# Allegro board 038RT-9068CJK8E-A100_0921_1.brd (continued)
## Placement (name value [footprint] x y rotation side) (continued)
S2_DPS_DVDD33  HDR-2X1-M  [JP_2P_100]  177.57 453.31 90 top
S2_DPS_GPIO_P015  HDR-2X1-M  [JP_2P_100]  192.81 453.31 90 top
S2_DPS_LDOIN  HDR-2X1-M  [JP_2P_100]  185.19 453.31 90 top
S2_DVDD09  TP01  [TP_040_T]  285.61 237.8 0 top
S2_DVDD33  TP01  [TP_040_T]  293.23 237.8 0 top
S2_GPIO_VDDIO  TP01  [TP_040_T]  274.81 237.8 0 top
S2_LDOIN  TP01  [TP_040_T]  290.69 237.8 0 top
S2_MGND1  TP01  [TP_040_T]  232.19 278.12 90 top
S2_MGND2  TP01  [TP_040_T]  270.68 237.8 0 top
S2_MGND3  TP01  [TP_040_T]  299.91 237.8 0 top
S2_MGND4  TP01  [TP_040_T]  310.2 282.44 225 top
S2_PH_VBAT  HDR-2X1-M  [JP_2P_100]  129.57 451.16 90 top
S2_SW_CTRL  HDR-3X1-MR  [JP_3P_100_R90]  29.07 146.69 270 top
S2_TAPSL0  HDR-3X1-MR  [JP_3P_100_R90]  111.16 432.93 270 top
S2_TAPSL1  HDR-3X1-MR  [JP_3P_100_R90]  101 432.93 270 top
S2_VBAT  TP01  [TP_040_T]  125.67 435.36 180 top
S2_VO09  TP01  [TP_040_T]  326.99 415.94 0 top
S3_AVDD09  TP01  [TP_040_T]  399.89 237.8 270 top
S3_AVDD33  TP01  [TP_040_T]  375.58 259.95 0 top
S3_AVDD33_MOSFET  TP01  [TP_040_T]  359.25 284.66 0 top
S3_DGND1  TP01  [TP_040_T]  415.77 237.8 0 top
S3_DGND2  TP01  [TP_040_T]  408.15 237.8 0 top
S3_DGND3  TP01  [TP_040_T]  397.35 237.8 0 top
S3_DGND4  TP01  [TP_040_T]  350.03 278.12 90 top
S3_DPS_AVDD09  HDR-2X1-M  [JP_2P_100]  505.46 458.65 90 top
S3_DPS_AVDD33  HDR-2X1-M  [JP_2P_100]  354.72 453.31 90 top
S3_DPS_DVDD09  HDR-2X1-M  [JP_2P_100]  520.7 458.65 90 top
S3_DPS_DVDD33  HDR-2X1-M  [JP_2P_100]  368.69 453.31 90 top
S3_DPS_GPIO_P015  HDR-2X1-M  [JP_2P_100]  375.04 453.31 90 top
S3_DPS_LDOIN  HDR-2X1-M  [JP_2P_100]  361.07 453.31 90 top
S3_DVDD09  TP01  [TP_040_T]  405.61 237.8 0 top
S3_DVDD33  TP01  [TP_040_T]  413.23 237.8 0 top
S3_GPIO_VDDIO  TP01  [TP_040_T]  394.81 237.8 0 top
S3_LDOIN  TP01  [TP_040_T]  410.69 237.8 0 top
S3_MGND1  TP01  [TP_040_T]  352.19 278.12 90 top
S3_MGND2  TP01  [TP_040_T]  390.68 237.8 0 top
S3_MGND3  TP01  [TP_040_T]  419.91 237.8 0 top
S3_MGND4  TP01  [TP_040_T]  430.2 282.44 225 top
S3_PH_VBAT  HDR-2X1-M  [JP_2P_100]  547.11 450.29 90 top
S3_SW_CTRL  HDR-3X1-MR  [JP_3P_100_R90]  655.18 147.95 270 top
S3_TAPSL0  HDR-3X1-MR  [JP_3P_100_R90]  589.31 423.82 90 top
S3_TAPSL1  HDR-3X1-MR  [JP_3P_100_R90]  579.15 423.82 90 top
S3_VBAT  TP01  [TP_040_T]  533.12 442.14 180 top
S3_VO09  TP01  [TP_040_T]  504.82 415.94 0 top
SG0_AVDD09  TP01  [TP_040_T]  121.14 190.5 90 top
SG0_AVDD33  TP01  [TP_040_T]  91.93 178.11 90 top
SG0_AVDD33_MOSFET  TP01  [TP_040_T]  90.03 178.11 90 top
SG0_DGND1  TP01  [TP_040_T]  116.9 183.72 0 top
SG0_DGND2  TP01  [TP_040_T]  123.05 209.55 90 top
SG0_DGND3  TP01  [TP_040_T]  121.14 219.07 90 top
SG0_DGND4  TP01  [TP_040_T]  123.05 206.38 90 top
SG0_DVDD09  TP01  [TP_040_T]  126.86 203.2 180 top
SG0_DVDD33  TP01  [TP_040_T]  126.86 215.9 90 top
SG0_FE_LED0  TP01  [TP_040_T]  98.28 235.26 90 top
SG0_FE_LED1  TP01  [TP_040_T]  100.19 235.26 90 top
SG0_GPIO_VDDIO  TP01  [TP_040_T]  126.86 187.32 180 top
SG0_GPIOA1_2  HDR-4X1-MR-A  [JP_4P_100_R90_V1]  50.66 193.04 180 top
SG0_GPIOA3  TP01  [TP_040_T]  146.13 185.37 90 top
SG0_GPIOA_0  TP01  [TP_040_T]  124.95 203.2 180 top
SG0_INH  TP01  [TP_040_T]  133.43 185.37 90 top
SG0_LDOIN  TP01  [TP_040_T]  126.86 212.72 180 top
SG0_MGND1  TP01  [TP_040_T]  74.15 179.45 180 top
SG0_MGND2  TP01  [TP_040_T]  74.15 236.28 90 top
SG0_MGND3  TP01  [TP_040_T]  125.59 235.26 90 top
SG0_MGND4  TP01  [TP_040_T]  116.9 186.26 0 top
SG0_P0_LDOOUT  TP01  [TP_040_T]  88.12 178.11 90 top
SG0_P0_LED  TP01  [TP_040_T]  86.85 235.26 90 top
SG0_P0_RXC  TP01  [TP_040_T]  126.86 184.15 180 top
SG0_P0_RXD0  TP01  [TP_040_T]  126.86 209.55 180 top
SG0_P0_RXD1  TP01  [TP_040_T]  126.86 190.5 180 top
SG0_P0_RXD2  TP01  [TP_040_T]  124.95 212.72 180 top
SG0_P0_RXD3  TP01  [TP_040_T]  121.14 187.32 90 top
SG0_P0_RXDV  TP01  [TP_040_T]  123.05 212.72 90 top
SG0_P0_TXC  TP01  [TP_040_T]  121.14 212.72 90 top
SG0_P0_TXD0  TP01  [TP_040_T]  124.95 215.9 180 top
SG0_P0_TXD1  TP01  [TP_040_T]  121.14 184.15 90 top
SG0_P0_TXD2  TP01  [TP_040_T]  123.05 215.9 90 top
SG0_P0_TXD3  TP01  [TP_040_T]  123.05 184.15 90 top
SG0_P0_TXEN  TP01  [TP_040_T]  124.95 184.15 180 top
SG0_P1_LDOOUT  TP01  [TP_040_T]  121.14 209.55 90 top
SG0_P1_LED  TP01  [TP_040_T]  90.66 235.26 90 top
SG0_P1_RXC  TP01  [TP_040_T]  123.05 222.25 90 top
SG0_P1_RXD0  TP01  [TP_040_T]  123.05 219.07 90 top
SG0_P1_RXD1  TP01  [TP_040_T]  124.95 225.43 90 top
SG0_P1_RXD2  TP01  [TP_040_T]  121.14 225.43 90 top
SG0_P1_RXD3  TP01  [TP_040_T]  123.05 225.43 90 top
SG0_P1_RXDV  TP01  [TP_040_T]  121.14 222.25 90 top
SG0_P1_TXC  TP01  [TP_040_T]  124.95 222.25 90 top
SG0_P1_TXD0  TP01  [TP_040_T]  143.38 234.04 0 top
SG0_P1_TXD1  TP01  [TP_040_T]  143.38 230.84 0 top
SG0_P1_TXD2  TP01  [TP_040_T]  158.62 234.04 0 top
SG0_P1_TXD3  TP01  [TP_040_T]  158.62 230.84 0 top
SG0_P1_TXEN  TP01  [TP_040_T]  126.86 222.25 90 top
SG0_P2_LED  TP01  [TP_040_T]  88.76 235.26 90 top
SG0_P3_LED  TP01  [TP_040_T]  92.57 235.26 90 top
SG0_P5_LDOOUT  TP01  [TP_040_T]  121.14 206.38 90 top
SG0_P5_LED  TP01  [TP_040_T]  94.47 235.26 90 top
SG0_P5_RXC  TP01  [TP_040_T]  121.14 231.78 90 top
SG0_P5_RXD0  TP01  [TP_040_T]  126.86 231.78 90 top
SG0_P5_RXD1  TP01  [TP_040_T]  121.14 215.9 90 top
SG0_P5_RXD2  TP01  [TP_040_T]  124.95 231.78 90 top
SG0_P5_RXD3  TP01  [TP_040_T]  124.95 219.07 90 top
SG0_P5_RXDV  TP01  [TP_040_T]  123.05 231.78 90 top
SG0_P5_TXC  TP01  [TP_040_T]  123.05 228.6 90 top
SG0_P5_TXD0  TP01  [TP_040_T]  143.38 240.39 0 top
SG0_P5_TXD1  TP01  [TP_040_T]  143.38 237.19 0 top
SG0_P5_TXD2  TP01  [TP_040_T]  158.62 240.39 0 top
SG0_P5_TXD3  TP01  [TP_040_T]  121.14 228.6 90 top
SG0_P5_TXEN  TP01  [TP_040_T]  124.95 228.6 90 top
SG0_P6_CLKREQB  TP01  [TP_040_T]  123.05 203.2 180 top
SG0_P6_LANWAKEB  TP01  [TP_040_T]  121.14 203.2 180 top
SG0_P6_LED  TP01  [TP_040_T]  96.38 235.26 90 top
SG0_P6_REFCLK+  TP01  [TP_040_T]  123.05 187.32 90 top
SG0_P6_REFCLK-  TP01  [TP_040_T]  124.95 187.32 180 top
SG0_P7_CLKREQB  TP01  [TP_040_T]  124.95 209.55 180 top
SG0_P7_LANWAKEB  TP01  [TP_040_T]  124.95 206.38 180 top
SG0_P7_REFCLK+  TP01  [TP_040_T]  123.05 190.5 90 top
SG0_P7_REFCLK-  TP01  [TP_040_T]  124.95 190.5 180 top
SG0_SWR1_FB  HDR-2X1-M  [JP_2P_100]  116.47 27.91 180 top
SG0_VBAT  TP01  [TP_040_T]  63.36 205.1 90 top
SG0_VDC  TP01  [TP_040_T]  143.65 29.25 0 top
SG1_AVDD09  TP01  [TP_040_T]  569.45 221.94 270 top
SG1_AVDD33  TP01  [TP_040_T]  598.66 234.33 270 top
SG1_AVDD33_MOSFET  TP01  [TP_040_T]  600.57 234.33 270 top
SG1_DGND1  TP01  [TP_040_T]  573.69 228.72 180 top
SG1_DGND2  TP01  [TP_040_T]  567.55 206.07 270 top
SG1_DGND3  TP01  [TP_040_T]  569.45 193.37 270 top
SG1_DGND4  TP01  [TP_040_T]  567.55 202.89 0 top
SG1_DVDD09  TP01  [TP_040_T]  563.74 209.24 0 top
SG1_DVDD33  TP01  [TP_040_T]  563.74 196.54 270 top
SG1_FE_LED0  TP01  [TP_040_T]  592.31 177.18 270 top
SG1_FE_LED1  TP01  [TP_040_T]  590.41 177.18 270 top
SG1_GPIO_VDDIO  TP01  [TP_040_T]  563.74 225.12 0 top
SG1_GPIOA1_2  HDR-4X1-MR-A  [JP_4P_100_R90_V1]  637.4 219.4 0 top
SG1_GPIOA3  TP01  [TP_040_T]  580.88 234.33 270 top
SG1_GPIOA_0  TP01  [TP_040_T]  565.64 209.24 0 top
SG1_INH  TP01  [TP_040_T]  593.58 234.33 270 top
SG1_LDOIN  TP01  [TP_040_T]  563.74 199.72 270 top
SG1_MGND1  TP01  [TP_040_T]  616.44 232.99 0 top
SG1_MGND2  TP01  [TP_040_T]  616.44 176.16 270 top
SG1_MGND3  TP01  [TP_040_T]  565.01 177.18 270 top
SG1_MGND4  TP01  [TP_040_T]  573.69 226.18 180 top
SG1_P0_LDOOUT  TP01  [TP_040_T]  602.47 234.33 270 top
SG1_P0_LED  TP01  [TP_040_T]  603.74 177.18 270 top
SG1_P0_RXC  TP01  [TP_040_T]  563.74 228.29 0 top
SG1_P0_RXD0  TP01  [TP_040_T]  563.74 202.89 270 top
SG1_P0_RXD1  TP01  [TP_040_T]  563.74 221.94 0 top
SG1_P0_RXD2  TP01  [TP_040_T]  565.64 199.72 0 top
SG1_P0_RXD3  TP01  [TP_040_T]  569.45 225.12 270 top
SG1_P0_RXDV  TP01  [TP_040_T]  567.55 199.72 270 top
SG1_P0_TXC  TP01  [TP_040_T]  569.45 199.72 270 top
SG1_P0_TXD0  TP01  [TP_040_T]  565.64 196.54 0 top
SG1_P0_TXD1  TP01  [TP_040_T]  569.45 228.29 270 top
SG1_P0_TXD2  TP01  [TP_040_T]  567.55 196.54 270 top
SG1_P0_TXD3  TP01  [TP_040_T]  567.55 228.29 270 top
SG1_P0_TXEN  TP01  [TP_040_T]  565.64 228.29 0 top
SG1_P1_LDOOUT  TP01  [TP_040_T]  569.45 202.89 270 top
SG1_P1_LED  TP01  [TP_040_T]  599.93 177.18 270 top
SG1_P1_RXC  TP01  [TP_040_T]  567.55 190.19 270 top
SG1_P1_RXD0  TP01  [TP_040_T]  567.55 193.37 270 top
SG1_P1_RXD1  TP01  [TP_040_T]  565.64 187.02 270 top
SG1_P1_RXD2  TP01  [TP_040_T]  569.45 187.02 270 top
SG1_P1_RXD3  TP01  [TP_040_T]  567.55 187.02 270 top
SG1_P1_RXDV  TP01  [TP_040_T]  569.45 190.19 270 top
SG1_P1_TXC  TP01  [TP_040_T]  565.64 190.19 270 top
SG1_P1_TXD0  TP01  [TP_040_T]  531.98 198.09 180 top
SG1_P1_TXD1  TP01  [TP_040_T]  531.98 201.29 180 top
SG1_P1_TXD2  TP01  [TP_040_T]  531.98 204.44 180 top
SG1_P1_TXD3  TP01  [TP_040_T]  531.98 207.64 180 top
SG1_P1_TXEN  TP01  [TP_040_T]  563.74 190.19 270 top
SG1_P2_LED  TP01  [TP_040_T]  601.84 177.18 270 top
SG1_P3_LED  TP01  [TP_040_T]  598.03 177.18 270 top
SG1_P5_LDOOUT  TP01  [TP_040_T]  569.45 206.07 270 top
SG1_P5_LED  TP01  [TP_040_T]  596.12 177.18 270 top
SG1_P5_RXC  TP01  [TP_040_T]  569.45 180.67 270 top
SG1_P5_RXD0  TP01  [TP_040_T]  563.74 180.67 270 top
SG1_P5_RXD1  TP01  [TP_040_T]  569.45 196.54 270 top
SG1_P5_RXD2  TP01  [TP_040_T]  565.64 180.67 270 top
SG1_P5_RXD3  TP01  [TP_040_T]  565.64 193.37 270 top
SG1_P5_RXDV  TP01  [TP_040_T]  567.55 180.67 270 top
SG1_P5_TXC  TP01  [TP_040_T]  567.55 183.84 270 top
SG1_P5_TXD0  TP01  [TP_040_T]  531.98 185.39 180 top
SG1_P5_TXD1  TP01  [TP_040_T]  531.98 188.59 180 top
SG1_P5_TXD2  TP01  [TP_040_T]  531.98 191.74 180 top
SG1_P5_TXD3  TP01  [TP_040_T]  569.45 183.84 270 top
SG1_P5_TXEN  TP01  [TP_040_T]  565.64 183.84 270 top
SG1_P6_CLKREQB  TP01  [TP_040_T]  567.55 209.24 270 top
SG1_P6_LANWAKEB  TP01  [TP_040_T]  569.45 209.24 270 top
SG1_P6_LED  TP01  [TP_040_T]  594.22 177.18 270 top
SG1_P6_REFCLK+  TP01  [TP_040_T]  567.55 225.12 270 top
SG1_P6_REFCLK-  TP01  [TP_040_T]  565.64 225.12 0 top
SG1_P7_CLKREQB  TP01  [TP_040_T]  565.64 202.89 0 top
SG1_P7_LANWAKEB  TP01  [TP_040_T]  565.64 206.07 0 top
SG1_P7_REFCLK+  TP01  [TP_040_T]  567.55 221.94 270 top
SG1_P7_REFCLK-  TP01  [TP_040_T]  565.64 221.94 0 top
SG1_SWR1_FB  HDR-2X1-M  [JP_2P_100]  573.91 33.47 180 top
SG1_VBAT  TP01  [TP_040_T]  627.24 207.34 270 top
SG1_VDC  TP01  [TP_040_T]  592.14 22.75 0 top
SG2_AVDD09  TP01  [TP_040_T]  121.14 250.5 90 top
SG2_AVDD33  TP01  [TP_040_T]  91.93 238.11 90 top
SG2_AVDD33_MOSFET  TP01  [TP_040_T]  90.03 238.11 90 top
SG2_DGND1  TP01  [TP_040_T]  116.9 243.72 0 top
SG2_DGND2  TP01  [TP_040_T]  123.05 266.37 90 top
SG2_DGND3  TP01  [TP_040_T]  121.14 279.07 90 top
SG2_DGND4  TP01  [TP_040_T]  123.05 269.55 180 top
SG2_DVDD09  TP01  [TP_040_T]  126.86 263.2 180 top
SG2_DVDD33  TP01  [TP_040_T]  126.86 275.9 90 top
SG2_FE_LED0  TP01  [TP_040_T]  98.28 295.26 90 top
SG2_FE_LED1  TP01  [TP_040_T]  100.19 295.26 90 top
SG2_GPIO_VDDIO  TP01  [TP_040_T]  126.86 247.32 180 top
SG2_GPIOA1_2  HDR-4X1-MR-A  [JP_4P_100_R90_V1]  50.66 253.04 180 top
SG2_GPIOA3  TP01  [TP_040_T]  109.71 238.11 90 top
SG2_GPIOA_0  TP01  [TP_040_T]  124.95 263.2 180 top
SG2_INH  TP01  [TP_040_T]  97.01 238.11 90 top
SG2_LDOIN  TP01  [TP_040_T]  126.86 272.72 90 top
SG2_MGND1  TP01  [TP_040_T]  74.15 239.45 180 top
SG2_MGND2  TP01  [TP_040_T]  74.1 294.45 90 top
SG2_MGND3  TP01  [TP_040_T]  138.44 289.89 90 top
SG2_MGND4  TP01  [TP_040_T]  116.9 246.26 0 top
SG2_P0_LDOOUT  TP01  [TP_040_T]  88.12 238.11 90 top
SG2_P0_LED  TP01  [TP_040_T]  86.85 295.26 90 top
SG2_P0_RXC  TP01  [TP_040_T]  126.86 244.15 180 top
SG2_P0_RXD0  TP01  [TP_040_T]  126.86 269.55 180 top
SG2_P0_RXD1  TP01  [TP_040_T]  126.86 250.5 180 top
SG2_P0_RXD2  TP01  [TP_040_T]  124.95 272.72 180 top
SG2_P0_RXD3  TP01  [TP_040_T]  121.14 247.32 90 top
SG2_P0_RXDV  TP01  [TP_040_T]  123.05 272.72 90 top
SG2_P0_TXC  TP01  [TP_040_T]  121.14 272.72 90 top
SG2_P0_TXD0  TP01  [TP_040_T]  124.95 275.9 180 top
SG2_P0_TXD1  TP01  [TP_040_T]  121.14 244.15 90 top
SG2_P0_TXD2  TP01  [TP_040_T]  123.05 275.9 90 top
SG2_P0_TXD3  TP01  [TP_040_T]  123.05 244.15 90 top
SG2_P0_TXEN  TP01  [TP_040_T]  124.95 244.15 180 top
SG2_P1_LDOOUT  TP01  [TP_040_T]  121.14 269.55 90 top
SG2_P1_LED  TP01  [TP_040_T]  90.66 295.26 90 top
SG2_P1_RXC  TP01  [TP_040_T]  123.05 282.25 90 top
SG2_P1_RXD0  TP01  [TP_040_T]  123.05 279.07 90 top
SG2_P1_RXD1  TP01  [TP_040_T]  124.95 285.42 90 top
SG2_P1_RXD2  TP01  [TP_040_T]  121.14 285.42 90 top
SG2_P1_RXD3  TP01  [TP_040_T]  123.05 285.42 90 top
SG2_P1_RXDV  TP01  [TP_040_T]  121.14 282.25 90 top
SG2_P1_TXC  TP01  [TP_040_T]  124.95 282.25 90 top
SG2_P1_TXD0  TP01  [TP_040_T]  192.97 286.06 0 top
SG2_P1_TXD1  TP01  [TP_040_T]  192.97 282.86 0 top
SG2_P1_TXD2  TP01  [TP_040_T]  208.21 286.06 0 top
SG2_P1_TXD3  TP01  [TP_040_T]  208.21 282.86 0 top
SG2_P1_TXEN  TP01  [TP_040_T]  126.86 282.25 90 top
SG2_P2_LED  TP01  [TP_040_T]  88.76 295.26 90 top
SG2_P3_LED  TP01  [TP_040_T]  92.57 295.26 90 top
SG2_P5_LDOOUT  TP01  [TP_040_T]  121.14 266.37 90 top
SG2_P5_LED  TP01  [TP_040_T]  94.47 295.26 90 top
SG2_P5_RXC  TP01  [TP_040_T]  121.14 291.77 90 top
SG2_P5_RXD0  TP01  [TP_040_T]  126.86 291.77 90 top
SG2_P5_RXD1  TP01  [TP_040_T]  121.14 275.9 90 top
SG2_P5_RXD2  TP01  [TP_040_T]  124.95 291.77 90 top
SG2_P5_RXD3  TP01  [TP_040_T]  124.95 279.07 90 top
SG2_P5_RXDV  TP01  [TP_040_T]  123.05 291.77 90 top
SG2_P5_TXC  TP01  [TP_040_T]  123.05 288.6 90 top
SG2_P5_TXD0  TP01  [TP_040_T]  157.11 286.01 0 top
SG2_P5_TXD1  TP01  [TP_040_T]  157.11 282.81 0 top
SG2_P5_TXD2  TP01  [TP_040_T]  172.35 286.01 0 top
SG2_P5_TXD3  TP01  [TP_040_T]  121.14 288.6 90 top
SG2_P5_TXEN  TP01  [TP_040_T]  124.95 288.6 90 top
SG2_P6_CLKREQB  TP01  [TP_040_T]  123.05 263.2 90 top
SG2_P6_LANWAKEB  TP01  [TP_040_T]  121.14 263.2 90 top
SG2_P6_LED  TP01  [TP_040_T]  96.38 295.26 90 top
SG2_P6_REFCLK+  TP01  [TP_040_T]  123.05 247.32 90 top
SG2_P6_REFCLK-  TP01  [TP_040_T]  124.95 247.32 180 top
SG2_P7_CLKREQB  TP01  [TP_040_T]  124.95 269.55 180 top
SG2_P7_LANWAKEB  TP01  [TP_040_T]  124.95 266.37 180 top
SG2_P7_REFCLK+  TP01  [TP_040_T]  123.05 250.5 90 top
SG2_P7_REFCLK-  TP01  [TP_040_T]  124.95 250.5 180 top
SG2_SWR1_FB  HDR-2X1-M  [JP_2P_100]  163.09 453.31 90 top
SG2_VBAT  TP01  [TP_040_T]  63.36 265.1 90 top
SG2_VDC  TP01  [TP_040_T]  127.03 446.72 180 top
SG3_AVDD09  TP01  [TP_040_T]  569.45 281.94 270 top
SG3_AVDD33  TP01  [TP_040_T]  598.66 294.33 270 top
SG3_AVDD33_MOSFET  TP01  [TP_040_T]  600.57 294.33 270 top
SG3_DGND1  TP01  [TP_040_T]  573.69 288.72 180 top
SG3_DGND2  TP01  [TP_040_T]  567.55 266.06 270 top
SG3_DGND3  TP01  [TP_040_T]  569.45 253.37 270 top
SG3_DGND4  TP01  [TP_040_T]  567.55 262.89 0 top
SG3_DVDD09  TP01  [TP_040_T]  563.74 269.24 0 top
SG3_DVDD33  TP01  [TP_040_T]  563.74 256.54 270 top
SG3_FE_LED0  TP01  [TP_040_T]  592.31 237.18 270 top
SG3_FE_LED1  TP01  [TP_040_T]  590.41 237.18 270 top
SG3_GPIO_VDDIO  TP01  [TP_040_T]  563.74 285.12 0 top
SG3_GPIOA1_2  HDR-4X1-MR-A  [JP_4P_100_R90_V1]  638.67 279.4 0 top
SG3_GPIOA3  TP01  [TP_040_T]  543.42 286.07 270 top
SG3_GPIOA_0  TP01  [TP_040_T]  565.64 269.24 0 top
SG3_INH  TP01  [TP_040_T]  556.12 286.07 270 top
SG3_LDOIN  TP01  [TP_040_T]  563.74 259.71 270 top
SG3_MGND1  TP01  [TP_040_T]  616.44 292.99 0 top
SG3_MGND2  TP01  [TP_040_T]  616.44 236.16 270 top
SG3_MGND3  TP01  [TP_040_T]  565.01 237.18 270 top
SG3_MGND4  TP01  [TP_040_T]  573.69 286.18 180 top
SG3_P0_LDOOUT  TP01  [TP_040_T]  602.47 294.33 270 top
SG3_P0_LED  TP01  [TP_040_T]  603.74 237.18 270 top
SG3_P0_RXC  TP01  [TP_040_T]  563.74 288.29 0 top
SG3_P0_RXD0  TP01  [TP_040_T]  563.74 262.89 270 top
SG3_P0_RXD1  TP01  [TP_040_T]  563.74 281.94 0 top
SG3_P0_RXD2  TP01  [TP_040_T]  565.64 259.71 0 top
SG3_P0_RXD3  TP01  [TP_040_T]  569.45 285.12 270 top
SG3_P0_RXDV  TP01  [TP_040_T]  567.55 259.71 270 top
SG3_P0_TXC  TP01  [TP_040_T]  569.45 259.71 270 top
SG3_P0_TXD0  TP01  [TP_040_T]  565.64 256.54 0 top
SG3_P0_TXD1  TP01  [TP_040_T]  569.45 288.29 270 top
SG3_P0_TXD2  TP01  [TP_040_T]  567.55 256.54 270 top
SG3_P0_TXD3  TP01  [TP_040_T]  567.55 288.29 270 top
SG3_P0_TXEN  TP01  [TP_040_T]  565.64 288.29 0 top
SG3_P1_LDOOUT  TP01  [TP_040_T]  569.45 262.89 270 top
SG3_P1_LED  TP01  [TP_040_T]  599.93 237.18 270 top
SG3_P1_RXC  TP01  [TP_040_T]  567.55 250.19 270 top
SG3_P1_RXD0  TP01  [TP_040_T]  567.55 253.37 270 top
SG3_P1_RXD1  TP01  [TP_040_T]  565.64 247.01 270 top
SG3_P1_RXD2  TP01  [TP_040_T]  569.45 247.01 270 top
SG3_P1_RXD3  TP01  [TP_040_T]  567.55 247.01 270 top
SG3_P1_RXDV  TP01  [TP_040_T]  569.45 250.19 270 top
SG3_P1_TXC  TP01  [TP_040_T]  565.64 250.19 270 top
SG3_P1_TXD0  TP01  [TP_040_T]  547.22 238.4 180 top
SG3_P1_TXD1  TP01  [TP_040_T]  547.22 241.6 180 top
SG3_P1_TXD2  TP01  [TP_040_T]  531.98 238.4 180 top
SG3_P1_TXD3  TP01  [TP_040_T]  531.98 241.6 180 top
SG3_P1_TXEN  TP01  [TP_040_T]  563.74 250.19 270 top
SG3_P2_LED  TP01  [TP_040_T]  601.84 237.18 270 top
SG3_P3_LED  TP01  [TP_040_T]  598.03 237.18 270 top
SG3_P5_LDOOUT  TP01  [TP_040_T]  569.45 266.06 270 top
SG3_P5_LED  TP01  [TP_040_T]  596.12 237.18 270 top
SG3_P5_RXC  TP01  [TP_040_T]  569.45 240.66 270 top
SG3_P5_RXD0  TP01  [TP_040_T]  563.74 240.66 270 top
SG3_P5_RXD1  TP01  [TP_040_T]  569.45 256.54 270 top
SG3_P5_RXD2  TP01  [TP_040_T]  565.64 240.66 270 top
SG3_P5_RXD3  TP01  [TP_040_T]  565.64 253.37 270 top
SG3_P5_RXDV  TP01  [TP_040_T]  567.55 240.66 270 top
SG3_P5_TXC  TP01  [TP_040_T]  567.55 243.84 270 top
SG3_P5_TXD0  TP01  [TP_040_T]  547.22 232.05 180 top
SG3_P5_TXD1  TP01  [TP_040_T]  547.22 235.25 180 top
SG3_P5_TXD2  TP01  [TP_040_T]  531.98 232.05 180 top
SG3_P5_TXD3  TP01  [TP_040_T]  569.45 243.84 270 top
SG3_P5_TXEN  TP01  [TP_040_T]  565.64 243.84 270 top
SG3_P6_CLKREQB  TP01  [TP_040_T]  567.55 269.24 270 top
SG3_P6_LANWAKEB  TP01  [TP_040_T]  569.45 269.24 270 top
SG3_P6_LED  TP01  [TP_040_T]  594.22 237.18 270 top
SG3_P6_REFCLK+  TP01  [TP_040_T]  567.55 285.12 270 top
SG3_P6_REFCLK-  TP01  [TP_040_T]  565.64 285.12 0 top
SG3_P7_CLKREQB  TP01  [TP_040_T]  565.64 262.89 0 top
SG3_P7_LANWAKEB  TP01  [TP_040_T]  565.64 266.06 0 top
SG3_P7_REFCLK+  TP01  [TP_040_T]  567.55 281.94 270 top
SG3_P7_REFCLK-  TP01  [TP_040_T]  565.64 281.94 0 top
SG3_SWR1_FB  HDR-2X1-M  [JP_2P_100]  579.3 450.29 90 top
SG3_VBAT  TP01  [TP_040_T]  627.24 267.33 270 top
SG3_VDC  TP01  [TP_040_T]  544.57 445.85 180 top
SH0_VDD5_ATX  HDR-2X1-M  [JP_2P_100]  240.47 17.78 270 top
SH01_DGND1  TP01  [TP_040_T]  214.22 20.32 0 top
SH01_DGND2  TP01  [TP_040_T]  206.6 20.32 0 top
SH01_DGND3  TP01  [TP_040_T]  196.78 29.02 0 top
SH01_DGND4  TP01  [TP_040_T]  239.62 20.32 0 top
SH01_DPS_5V0  TP01  [TP_040_T]  216.76 20.32 0 top
SH01_L_SWR_5TO1_OUT  TP01  [TP_040_T]  196.79 31.17 0 top
SH01_LDO_5TO3_OUT  TP01  [TP_040_T]  209.14 20.32 0 top
SH01_PCIEGND1  TP01  [TP_040_T]  216.39 193.45 0 top
SH01_PCIEGND2  TP01  [TP_040_T]  216.39 190.65 0 top
SH01_PCIEGND3  TP01  [TP_040_T]  251.09 197.19 0 top
SH01_PCIEGND4  TP01  [TP_040_T]  264.33 177.8 0 top
SH01_USB_AVDD10  TP01  [TP_040_T]  242.16 20.32 0 top
SH1_VDD5_ATX  HDR-2X1-M  [JP_2P_100]  422.91 17.78 270 top
SH02_DGND1  TP01  [TP_040_T]  276.22 20.32 0 top
SH02_DGND2  TP01  [TP_040_T]  268.6 20.32 0 top
SH02_DGND3  TP01  [TP_040_T]  258.79 29.02 0 top
SH02_DGND4  TP01  [TP_040_T]  301.62 20.32 0 top
SH02_DPS_5V0  TP01  [TP_040_T]  278.76 20.32 0 top
SH02_L_SWR_5TO1_OUT  TP01  [TP_040_T]  258.8 31.17 0 top
SH02_LDO_5TO3_OUT  TP01  [TP_040_T]  271.14 20.32 0 top
SH02_PCIEGND1  TP01  [TP_040_T]  243.85 56.41 0 top
SH02_PCIEGND2  TP01  [TP_040_T]  243.85 53.14 0 top
SH02_PCIEGND3  TP01  [TP_040_T]  305.83 56.41 0 top
SH02_PCIEGND4  TP01  [TP_040_T]  305.83 53.14 0 top
SH02_USB_AVDD10  TP01  [TP_040_T]  304.16 20.32 0 top
SH2_VDD5_ATX  HDR-2X1-M  [JP_2P_100]  266.05 462.2 90 top
SH3_VDD5_ATX  HDR-2X1-M  [JP_2P_100]  443.83 461.19 90 top
SH11_DGND1  TP01  [TP_040_T]  396.66 20.32 0 top
SH11_DGND2  TP01  [TP_040_T]  389.04 20.32 0 top
SH11_DGND3  TP01  [TP_040_T]  379.23 29.02 0 top
SH11_DGND4  TP01  [TP_040_T]  422.06 20.32 0 top
SH11_DPS_5V0  TP01  [TP_040_T]  399.2 20.32 0 top
SH11_L_SWR_5TO1_OUT  TP01  [TP_040_T]  379.24 31.17 0 top
SH11_LDO_5TO3_OUT  TP01  [TP_040_T]  391.58 20.32 0 top
SH11_PCIEGND1  TP01  [TP_040_T]  469.71 214.68 0 top
SH11_PCIEGND2  TP01  [TP_040_T]  469.71 217.47 0 top
SH11_PCIEGND3  TP01  [TP_040_T]  445.65 184.75 0 top
SH11_PCIEGND4  TP01  [TP_040_T]  384.33 177.8 0 top
SH11_USB_AVDD10  TP01  [TP_040_T]  424.6 20.32 0 top
SH12_DGND1  TP01  [TP_040_T]  458.67 20.32 0 top
SH12_DGND2  TP01  [TP_040_T]  451.05 20.32 0 top
SH12_DGND3  TP01  [TP_040_T]  441.24 29.02 0 top
SH12_DGND4  TP01  [TP_040_T]  484.07 20.32 0 top
SH12_DPS_5V0  TP01  [TP_040_T]  461.21 20.32 0 top
SH12_L_SWR_5TO1_OUT  TP01  [TP_040_T]  441.25 31.17 0 top
SH12_LDO_5TO3_OUT  TP01  [TP_040_T]  453.59 20.32 0 top
SH12_PCIEGND1  TP01  [TP_040_T]  426.3 56.41 0 top
SH12_PCIEGND2  TP01  [TP_040_T]  426.3 53.14 0 top
SH12_PCIEGND3  TP01  [TP_040_T]  488.27 56.41 0 top
SH12_PCIEGND4  TP01  [TP_040_T]  488.27 53.14 0 top
SH12_USB_AVDD10  TP01  [TP_040_T]  486.61 20.32 0 top
SH21_DGND1  TP01  [TP_040_T]  292.3 455.85 180 top
SH21_DGND2  TP01  [TP_040_T]  299.92 455.85 180 top
SH21_DGND3  TP01  [TP_040_T]  309.73 447.16 180 top
SH21_DGND4  TP01  [TP_040_T]  266.9 455.85 0 top
SH21_DPS_5V0  TP01  [TP_040_T]  289.76 455.85 180 top
SH21_L_SWR_5TO1_OUT  TP01  [TP_040_T]  309.72 445 180 top
SH21_LDO_5TO3_OUT  TP01  [TP_040_T]  297.38 455.85 180 top
SH21_PCIEGND1  TP01  [TP_040_T]  214.47 267.32 0 top
SH21_PCIEGND2  TP01  [TP_040_T]  214.47 270.11 0 top
SH21_PCIEGND3  TP01  [TP_040_T]  251.08 257.19 0 top
SH21_PCIEGND4  TP01  [TP_040_T]  264.33 237.8 0 top
SH21_USB_AVDD10  TP01  [TP_040_T]  264.36 455.85 0 top
SH22_DGND1  TP01  [TP_040_T]  230.29 455.85 180 top
SH22_DGND2  TP01  [TP_040_T]  237.91 455.85 180 top
SH22_DGND3  TP01  [TP_040_T]  247.72 447.16 180 top
SH22_DGND4  TP01  [TP_040_T]  204.89 455.85 0 top
SH22_DPS_5V0  TP01  [TP_040_T]  227.75 455.85 180 top
SH22_L_SWR_5TO1_OUT  TP01  [TP_040_T]  247.71 445 180 top
SH22_LDO_5TO3_OUT  TP01  [TP_040_T]  235.37 455.85 180 top
SH22_PCIEGND1  TP01  [TP_040_T]  262.66 419.76 0 top
SH22_PCIEGND2  TP01  [TP_040_T]  262.66 423.04 0 top
SH22_PCIEGND3  TP01  [TP_040_T]  200.69 419.76 0 top
SH22_PCIEGND4  TP01  [TP_040_T]  200.69 423.04 0 top
SH22_USB_AVDD10  TP01  [TP_040_T]  202.35 455.85 0 top
SH31_DGND1  TP01  [TP_040_T]  470.08 455.85 180 top
SH31_DGND2  TP01  [TP_040_T]  477.7 455.85 180 top
SH31_DGND3  TP01  [TP_040_T]  487.52 447.16 180 top
SH31_DGND4  TP01  [TP_040_T]  444.68 455.85 0 top
SH31_DPS_5V0  TP01  [TP_040_T]  467.54 455.85 180 top
SH31_L_SWR_5TO1_OUT  TP01  [TP_040_T]  487.5 445 180 top
SH31_LDO_5TO3_OUT  TP01  [TP_040_T]  475.16 455.85 180 top
SH31_PCIEGND1  TP01  [TP_040_T]  469.71 274.68 0 top
SH31_PCIEGND2  TP01  [TP_040_T]  469.71 277.47 0 top
SH31_PCIEGND3  TP01  [TP_040_T]  445.65 244.75 0 top
SH31_PCIEGND4  TP01  [TP_040_T]  384.33 237.8 0 top
SH31_USB_AVDD10  TP01  [TP_040_T]  442.14 455.85 0 top
SH32_DGND1  TP01  [TP_040_T]  408.07 455.85 180 top
SH32_DGND2  TP01  [TP_040_T]  415.69 455.85 180 top
SH32_DGND3  TP01  [TP_040_T]  425.51 447.16 180 top
SH32_DGND4  TP01  [TP_040_T]  382.67 455.85 0 top
SH32_DPS_5V0  TP01  [TP_040_T]  405.53 455.85 180 top
SH32_L_SWR_5TO1_OUT  TP01  [TP_040_T]  425.5 445 180 top
SH32_LDO_5TO3_OUT  TP01  [TP_040_T]  413.15 455.85 180 top
SH32_PCIEGND1  TP01  [TP_040_T]  440.45 419.76 0 top
SH32_PCIEGND2  TP01  [TP_040_T]  440.45 423.04 0 top
SH32_PCIEGND3  TP01  [TP_040_T]  378.47 419.76 0 top
SH32_PCIEGND4  TP01  [TP_040_T]  378.47 423.04 0 top
SH32_USB_AVDD10  TP01  [TP_040_T]  380.13 455.85 0 top
SITE0  RTL9068ABD-V2-GR-VFBGA273-17X17  [SK_VFBGA273P_0P8MM_90684D]  285.3 206.22 0 top
SITE1  RTL9068ABD-V2-GR-VFBGA273-17X17  [SK_VFBGA273P_0P8MM_90684D]  405.3 206.22 0 top
SITE2  RTL9068ABD-V2-GR-VFBGA273-17X17  [SK_VFBGA273P_0P8MM_90684D]  285.3 266.22 0 top
SITE3  RTL9068ABD-V2-GR-VFBGA273-17X17  [SK_VFBGA273P_0P8MM_90684D]  405.3 266.22 0 top
SKB1  J750SKBASE_4-8D_HT1028C_400X210  [SOCKET_BASE_400X210MM_90684D]  345.3 236.22 0 top
SLOT0-DOWN  LPC128_27X6X2_SLOT00  [PG_3680_LPC128_A_SLOT0]  345.3 236.22 0 top
SLOT0-UP  LPC128_27X6X2_SLOT00  [PG_3680_LPC128_B_SLOT0]  345.3 236.22 0 top
SLOT1-DOWN  LPC128_27X6X2_SLOT01  [PG_3680_LPC128_A_SLOT1]  345.3 236.22 0 top
SLOT1-UP  LPC128_27X6X2_SLOT01  [PG_3680_LPC128_B_SLOT1]  345.3 236.22 0 top
SLOT2-DOWN  LPC128_27X6X2_SLOT02  [PG_3680_LPC128_A_SLOT2]  345.3 236.22 0 top
SLOT2-UP  LPC128_27X6X2_SLOT02  [PG_3680_LPC128_B_SLOT2]  345.3 236.22 0 top
SLOT3-DOWN  LPC128_27X6X2_SLOT03  [PG_3680_LPC128_A_SLOT3]  345.3 236.22 0 top
SLOT3-UP  LPC128_27X6X2_SLOT03  [PG_3680_LPC128_B_SLOT3]  345.3 236.22 0 top
SLOT4-DOWN  LPC128_27X6X2_SLOT04  [PG_3680_LPC128_A_SLOT4]  345.3 236.22 0 top
SLOT4-UP  LPC128_27X6X2_SLOT04  [PG_3680_LPC128_B_SLOT4]  345.3 236.22 0 top
